# Altium PCB LASERDIODE.PcbDoc (part 2 of 3)
Units mm, origin at the board's own origin, x right, y up, seen from the top; angles counter-clockwise.
Board outline 90.01 x 90.01 mm, 4 copper layers (Top Layer, Layer 1, Layer 2, Bottom Layer), stack 1.584 mm thick; 328 components, 203 nets, 905 pads, 981 vias.
Unrouted connection lines stored in the file: 720.
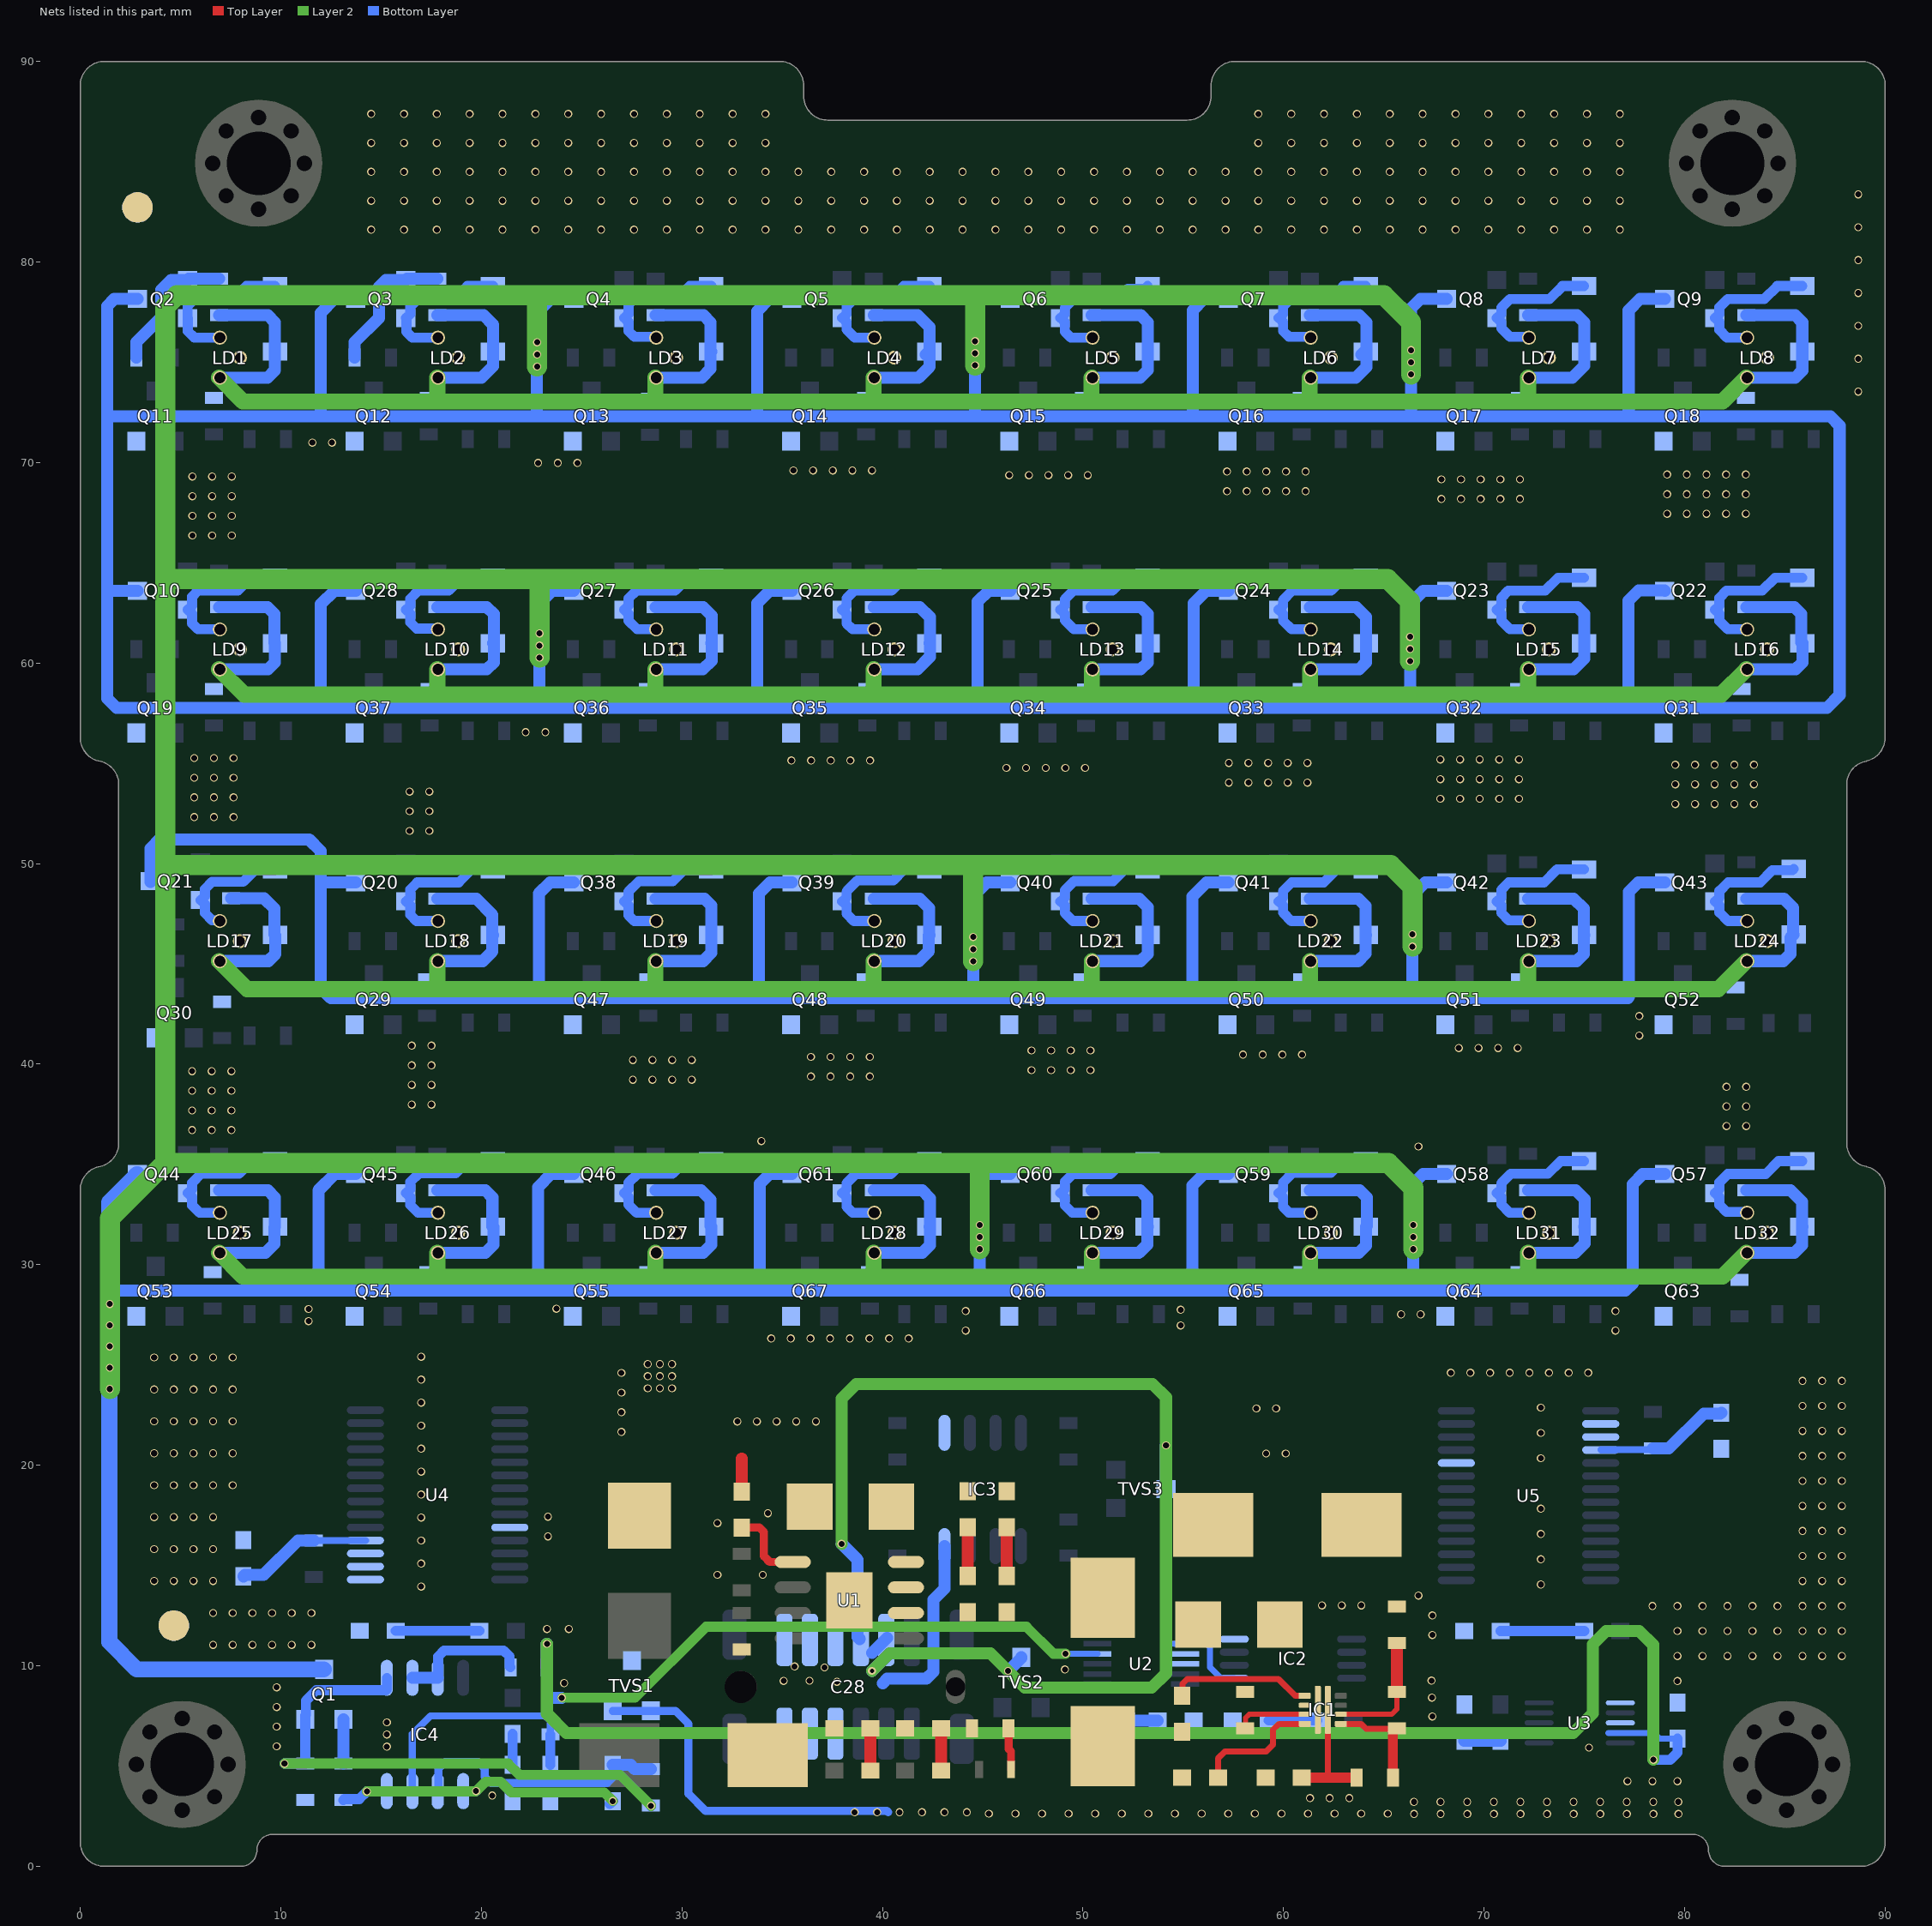
[diagram p4: the nets of this part, all layers, seen from the top]

## Via types
v1: diameter 0.4, hole 0.3, Top Layer to Bottom Layer, tented both sides, 727 vias
v2: diameter 0.35, hole 0.2, Top Layer to Bottom Layer, tented both sides, 253 vias
v3: diameter 0.4, hole 0.2, Top Layer to Bottom Layer, tented both sides, 1 vias

## Nets (pads, with @x,y where several pads share a name; then routed paths per layer and width w, separated by ;. In a path a pad name is that pad's centre, name@x,y a point inside that pad or via, vN(x,y) a via of type N, cw(c..) or ccw(c..) an arc to the next point about the centre after c; other vN are vias at no path point) (continued)
+12: C2.1 C6.1 C7.1 C10.1 D1.2 DIO1.2 DIO2.2 DIO3.2 DIO4.2 DIO5.2 DIO6.2 DIO7.2 DIO8.2 DIO9.2 DIO10.2 DIO11.2 DIO12.2 DIO13.2 DIO14.2 DIO15.2 DIO16.2 DIO17.2 DIO18.2 DIO19.2 DIO20.2 DIO21.2 DIO22.2 DIO23.2 DIO24.2 DIO25.2 DIO26.2 DIO27.2 DIO28.2 DIO29.2 DIO30.2 DIO31.2 DIO32.2 IC1.6 LD1.1 LD2.1 LD3.1 LD4.1 LD5.1 LD6.1 LD7.1 LD8.1 LD9.1 LD10.1 LD11.1 LD12.1 LD13.1 LD14.1 LD15.1 LD16.1 LD17.1 LD18.1 LD19.1 LD20.1 LD21.1 LD22.1 LD23.1 LD24.1 LD25.1 LD26.1 LD27.1 LD28.1 LD29.1 LD30.1 LD31.1 LD32.1 R18.1 R19.1 R20.1 R21.1 R22.1 R23.1 R24.1 R25.1 R26.1 R45.1 R46.1 R47.1 R48.1 R49.1 R50.1 R51.1 R52.1 R53.1 R72.1 R73.1 R74.1 R75.1 R76.1 R77.1 R78.1 R79.1 R80.1 R100.1 R101.1 R102.1 R103.1 R104.1 U1.7 | length 600.8
  Layer 2 w0.8: LD25.1@6.92,30.592 8.112,29.4 17.82,29.4 ; LD17.1@6.92,45.139 8.319,43.74 17.86,43.74 ; LD9.1@6.92,59.685 8.175,58.43 17.82,58.43 ; LD1.1@6.92,74.232 8.112,73.04 17.78,73.04 ; LD26.1@17.8,30.592 17.8,29.42 17.82,29.4 ; LD18.1@17.8,45.139 17.8,43.8 17.86,43.74 ; LD10.1@17.8,59.685 17.8,58.45 17.82,58.43 ; LD2.1@17.8,74.232 17.8,73.06 17.78,73.04 ; LD27.1@28.68,30.592 28.68,29.4 ; LD19.1@28.68,45.139 28.68,43.78 28.64,43.74 ; LD11.1@28.68,59.685 28.68,58.45 28.66,58.43 ; LD3.1@28.68,74.232 28.68,73.04 ; LD28.1@39.56,30.592 39.56,29.42 39.54,29.4 ; LD20.1@39.56,45.139 39.56,43.79 39.61,43.74 ; LD12.1@39.56,59.685 39.56,58.57 39.42,58.43 ; LD4.1@39.56,74.232 39.56,73.04 ; LD29.1@50.44,30.592 50.44,29.42 50.46,29.4 ; LD21.1@50.44,45.139 50.44,43.78 50.4,43.74 ; LD13.1@50.44,59.685 50.44,58.43 ; LD5.1@50.44,74.232 50.421,74.213 50.421,73.091 50.37,73.04 ; LD30.1@61.32,30.592 61.32,29.4 ; LD22.1@61.32,45.139 61.32,43.78 61.28,43.74 ; LD14.1@61.32,59.685 61.32,58.52 61.23,58.43 ; LD6.1@61.32,74.232 61.301,74.213 61.301,73.051 61.29,73.04 ; LD31.1@72.2,30.592 72.2,29.4 ; LD23.1@72.2,45.139 72.2,43.76 72.22,43.74 ; LD15.1@72.2,59.685 72.2,58.45 72.18,58.43 ; LD7.1@72.2,74.232 72.2,73.04 ; LD32.1@83.08,30.592 81.888,29.4 72.2,29.4 ; LD24.1@83.08,45.139 81.681,43.74 72.22,43.74 ; LD16.1@83.08,59.685 81.825,58.43 72.18,58.43 ; LD8.1@83.08,74.232 81.888,73.04 72.2,73.04 ; 17.78,73.04 28.68,73.04 ; 17.82,29.4 28.68,29.4 ; 17.82,58.43 28.66,58.43 ; 17.86,43.74 28.64,43.74 ; 28.64,43.74 39.61,43.74 ; 28.66,58.43 39.42,58.43 ; 28.68,29.4 39.54,29.4 ; 28.68,73.04 39.56,73.04 ; 39.42,58.43 50.44,58.43 ; 39.54,29.4 50.46,29.4 ; 39.56,73.04 50.37,73.04 ; 39.61,43.74 50.4,43.74 ; 50.37,73.04 61.29,73.04 ; 50.4,43.74 61.28,43.74 ; 50.44,58.43 61.23,58.43 ; 50.46,29.4 61.32,29.4 ; 61.23,58.43 72.18,58.43 ; 61.28,43.74 72.22,43.74 ; 61.29,73.04 72.2,73.04 ; 61.32,29.4 72.2,29.4
  Bottom Layer w0.6: LD25.1@6.92,30.592 9.232,30.592 9.67,31.03 9.67,31.861 DIO25.2@9.7,31.891 9.7,33.351 9.349,33.703 R78.1@6.92,33.703 ; LD17.1@6.92,45.139 9.369,45.139 9.73,45.5 9.73,46.408 DIO11.2@9.7,46.438 9.67,46.468 9.67,47.75 9.159,48.261 R46.1@7.52,48.261 ; LD9.1@6.92,59.685 9.349,59.685 9.7,60.037 DIO9.2@9.7,60.984 9.68,61.004 9.68,62.445 9.329,62.796 R26.1@6.92,62.796 ; LD1.1@6.92,74.232 9.331,74.232 9.7,74.601 DIO1.2@9.7,75.531 9.7,76.991 9.349,77.343 R18.1@6.92,77.343 ; LD26.1@17.8,30.592 20.202,30.592 20.61,31 20.61,31.862 DIO26.2@20.581,31.891 20.55,31.922 20.55,33.351 20.199,33.703 R79.1@17.8,33.703 ; LD18.1@17.8,45.139 20.069,45.139 20.54,45.61 DIO10.2@20.54,46.396 ; R45.1@17.8,48.25 19.74,48.25 20.549,47.441 20.549,46.47 DIO10.2@20.581,46.438 ; LD10.1@17.8,59.685 20.269,59.685 20.62,60.037 DIO18.2@20.62,60.946 ; R53.1@17.8,62.796 20.269,62.796 20.62,62.445 DIO18.2@20.62,60.946 ; LD2.1@17.8,74.232 20.012,74.232 20.58,74.8 20.58,75.529 DIO2.2@20.581,75.531 20.581,76.869 20.107,77.343 R19.1@17.8,77.343 ; DIO18.2@20.581,60.984 DIO18.2@20.62,60.946 ; LD27.1@28.68,30.592 31.052,30.592 31.463,31.003 DIO27.2@31.463,31.891 31.416,31.938 31.416,33.246 30.959,33.703 R80.1@28.68,33.703 ; LD19.1@28.68,45.139 31.059,45.139 31.47,45.55 DIO19.2@31.47,46.43 ; R72.1@28.68,48.25 31.119,48.25 31.47,47.898 DIO19.2@31.47,46.43 ; LD11.1@28.68,59.685 31.045,59.685 31.48,60.12 DIO17.2@31.48,60.967 ; R52.1@28.68,62.796 31.054,62.796 31.48,62.37 DIO17.2@31.48,60.967 ; LD3.1@28.68,74.232 30.992,74.232 31.43,74.67 DIO3.2@31.43,75.498 ; R20.1@28.68,77.343 31.079,77.343 31.43,76.991 DIO3.2@31.43,75.498 ; DIO19.2@31.463,46.438 DIO19.2@31.47,46.43 ; DIO17.2@31.463,60.984 DIO17.2@31.48,60.967 ; DIO3.2@31.463,75.531 DIO3.2@31.43,75.498 ; LD28.1@39.56,30.592 41.982,30.592 42.37,30.98 DIO32.2@42.37,31.865 ; R104.1@39.56,33.703 41.977,33.703 42.37,33.31 DIO32.2@42.37,31.865 ; LD20.1@39.56,45.139 41.819,45.139 42.31,45.63 42.31,46.403 DIO20.2@42.33,46.423 ; R73.1@39.56,48.25 41.86,48.25 42.33,47.78 DIO20.2@42.33,46.423 ; LD12.1@39.56,59.685 41.744,59.685 42.36,60.301 DIO16.2@42.36,60.969 ; R51.1@39.56,62.796 41.864,62.796 42.36,62.3 DIO16.2@42.36,60.969 ; LD4.1@39.56,74.232 41.802,74.232 42.344,74.774 DIO4.2@42.344,75.531 ; R21.1@39.56,77.343 41.751,77.343 42.344,76.75 DIO4.2@42.344,75.531 ; DIO4.2@42.154,75.376 42.309,75.531 DIO4.2@42.344,75.531 ; DIO32.2@42.344,31.891 DIO32.2@42.37,31.865 ; DIO20.2@42.344,46.438 DIO20.2@42.33,46.423 ; DIO16.2@42.344,60.984 DIO16.2@42.36,60.969 ; LD29.1@50.44,30.592 52.792,30.592 53.2,31 DIO31.2@53.2,31.865 ; R103.1@50.44,33.703 52.849,33.703 53.2,33.351 DIO31.2@53.2,31.865 ; LD21.1@50.44,45.139 52.869,45.139 53.23,45.5 DIO21.2@53.23,46.433 ; R74.1@50.44,48.25 52.81,48.25 53.23,47.83 DIO21.2@53.23,46.433 ; LD13.1@50.44,59.685 52.874,59.685 53.226,60.037 DIO15.2@53.226,60.984 53.24,60.999 53.24,62.445 52.889,62.796 R50.1@50.44,62.796 ; LD5.1@50.44,74.232 52.852,74.232 53.23,74.61 DIO5.2@53.23,75.527 ; R22.1@50.44,77.343 52.879,77.343 53.23,76.991 DIO5.2@53.23,75.527 ; DIO31.2@53.226,31.891 DIO31.2@53.2,31.865 ; DIO21.2@53.226,46.438 DIO21.2@53.23,46.433 ; DIO5.2@53.226,75.531 DIO5.2@53.23,75.527 ; LD30.1@61.32,30.592 63.756,30.592 64.107,30.944 DIO30.2@64.107,31.891 64.15,31.934 64.15,33.351 63.799,33.703 R102.1@61.32,33.703 ; LD22.1@61.32,45.139 63.719,45.139 64.1,45.52 DIO22.2@64.1,46.43 ; R75.1@61.32,48.25 63.73,48.25 64.1,47.88 DIO22.2@64.1,46.43 ; LD14.1@61.32,59.685 63.765,59.685 64.12,60.04 DIO14.2@64.12,60.971 ; R49.1@61.32,62.796 63.614,62.796 64.12,62.29 DIO14.2@64.12,60.971 ; LD6.1@61.32,74.232 63.602,74.232 64.13,74.76 DIO6.2@64.13,75.508 ; R23.1@61.32,77.343 63.779,77.343 64.13,76.991 DIO6.2@64.13,75.508 ; DIO6.2@63.88,75.376 64.035,75.531 DIO6.2@64.107,75.531 DIO6.2@64.13,75.508 ; DIO22.2@64.107,46.438 DIO22.2@64.1,46.43 ; DIO14.2@64.107,60.984 DIO14.2@64.12,60.971 ; LD31.1@72.2,30.592 74.542,30.592 75.01,31.06 DIO29.2@75.01,31.869 ; R101.1@72.2,33.703 74.567,33.703 75.01,33.26 DIO29.2@75.01,31.869 ; LD23.1@72.2,45.139 74.619,45.139 74.97,45.49 DIO23.2@74.97,46.419 ; R76.1@72.2,48.25 74.47,48.25 74.97,47.75 DIO23.2@74.97,46.419 ; LD15.1@72.2,59.685 74.465,59.685 75,60.22 DIO13.2@75,60.973 ; R48.1@72.2,62.796 74.649,62.796 75,62.445 DIO13.2@75,60.973 ; LD7.1@72.2,74.232 74.399,74.232 74.989,74.821 DIO7.2@74.989,75.531 74.989,76.991 74.637,77.343 R24.1@72.2,77.343 ; DIO29.2@74.989,31.891 DIO29.2@75.01,31.869 ; DIO23.2@74.989,46.438 DIO23.2@74.97,46.419 ; DIO13.2@74.989,60.984 DIO13.2@75,60.973 ; LD32.1@83.08,30.592 85.472,30.592 85.86,30.98 DIO28.2@85.86,31.881 ; R100.1@83.08,33.703 85.287,33.703 85.86,33.13 DIO28.2@85.86,31.881 ; LD24.1@83.08,45.139 84.92,45.139 85.272,45.49 85.272,46.305 DIO24.2@85.41,46.443 ; R77.1@83.08,48.25 84.95,48.25 85.41,47.79 DIO24.2@85.41,46.443 ; LD16.1@83.08,59.685 85.529,59.685 85.88,60.037 85.88,60.974 DIO12.2@85.87,60.984 85.82,61.034 85.82,62.445 85.469,62.796 R47.1@83.08,62.796 ; LD8.1@83.08,74.232 85.512,74.232 85.87,74.59 DIO8.2@85.87,75.531 85.87,76.991 85.519,77.343 R25.1@83.08,77.343 ; DIO24.2@85.44,46.46 85.427,46.46 DIO24.2@85.41,46.443 ; DIO28.2@85.87,31.891 DIO28.2@85.86,31.881
  other v1: 28.295,23.83 28.9,23.83 29.505,23.83 28.295,24.435 28.9,24.435 29.505,24.435 28.295,25.04 28.9,25.04 29.505,25.04
+12_AUX: C1.2 C28.7 C28.8 C28.9 IC1.5 R1.2 TVS1.1 TVS1.3 | length 24
  Top Layer w0.3: IC1.5@62.21,7.8 62.21,4.485 62.275,4.42
  Top Layer w0.5: C1.2@60.91,4.419 62.275,4.42 R1.2@63.641,4.42
  Bottom Layer w0.4: TVS1.3@26.55,7.75 TVS1.1@28.45,7.75 29.675,7.75 30.328,7.097 30.328,3.615 31.19,2.753 40.227,2.753 40.29,2.69
  other v1: 38.61,2.69 39.73,2.69 40.85,2.69 41.97,2.69 43.09,2.69 44.21,2.69 61.32,3.4 62.3,3.4 63.28,3.4
CURRENT_MONITOR: C39.2 R16.2 U3.4 | length 76
  Layer 2 w0.6: v1(23.266,11.09) 23.266,7.614 24.23,6.65 74.45,6.65 75.425,7.625 75.425,11.065 76.087,11.727 77.743,11.727 78.43,11.04 v1@78.43,5.31
  Bottom Layer w0.3: U3.4@76.195,6.65 U3.4@76.795,6.65 78.469,6.65 78.757,6.362 C39.2@79.644,6.362
  Bottom Layer w0.5: R16.2@23.266,9.92 R16.2@23.278,9.932 ; v1@78.439,5.3 v1(78.448,5.31) 79.28,5.31 79.644,5.674 C39.2@79.644,6.362
  Bottom Layer w0.6: R16.2@23.266,9.92 v1(23.266,11.09)
DAC: R99.1 U2.4 | length 29.3
  Layer 2 w0.5: v1@24.042,8.399 27.659,8.399 31.2,11.94 47.18,11.94 48.52,10.6 v1(49.13,10.6)
  Bottom Layer w0.3: v1@49.112,10.582 v1(49.13,10.6) 49.135,10.595 50.721,10.595 U2.4@50.726,10.59
  Bottom Layer w0.6: R99.1@23.44,8.389 23.999,8.389 v1(24.01,8.4)
GND_AUX: C1.1 C2.2 C3.1 C4.1 C10.2 C11.2 C12.2 C13.2 C14.2 C15.2 C18.1 C19.1 C21.1 C23.1 C26.1 C27.1 C28.4 C28.5 C28.6 C30.1 C34.1 C35.1 C39.1 D1.1 D2.1 IC1.8 IC2.4 IC3.5 IC4.4 LD1.2 LD2.2 LD3.2 LD4.2 LD5.2 LD6.2 LD7.2 LD8.2 LD9.2 LD10.2 LD11.2 LD12.2 LD13.2 LD14.2 LD15.2 LD16.2 LD17.2 LD18.2 LD19.2 LD20.2 LD21.2 LD22.2 LD23.2 LD24.2 LD25.2 LD26.2 LD27.2 LD28.2 LD29.2 LD30.2 LD31.2 LD32.2 pad. Q11.2 Q12.2 Q13.2 Q14.2 Q15.2 Q16.2 Q17.2 Q18.2 Q19.2 Q29.2 Q30.2 Q31.2 Q32.2 Q33.2 Q34.2 Q35.2 Q36.2 Q37.2 Q47.2 Q48.2 Q49.2 Q50.2 Q51.2 Q52.2 Q53.2 Q54.2 Q55.2 Q63.2 Q64.2 Q65.2 Q66.2 Q67.2 R3.1 R4.1 R6.2 R7.1 R17.1 R105.2 R111.2 R117.2 R118.2 R119.2 R120.2 R121.2 R122.2 R123.2 R124.2 R125.2 R126.2 R127.2 R128.2 R129.2 R130.2 R131.2 R132.2 R133.2 R134.2 R135.2 R136.2 R137.2 R138.2 R139.2 R140.2 R141.2 R142.2 R143.2 R144.2 R145.2 R146.2 TVS1.2 U1.6 U1.9 U2.7 U2.8 U3.1 U3.3 U4.10 U4.15 U4.16 U4.17 U5.10 U5.16 U5.17
  other v1: 45.303,2.62 46.63,2.62 47.956,2.62 49.282,2.62 50.609,2.62 51.935,2.62 53.262,2.62 54.588,2.62 55.915,2.62 57.241,2.62 58.568,2.62 59.894,2.62 61.221,2.62 62.547,2.62 63.874,2.62 65.2,2.62 66.511,2.604 67.837,2.604 69.164,2.604 70.49,2.604 71.817,2.604 73.143,2.604 74.47,2.604 75.796,2.604 77.123,2.604 78.449,2.604 79.696,2.604 66.505,3.21 67.831,3.21 69.158,3.21 70.484,3.21 71.81,3.21 73.137,3.21 74.463,3.21 75.79,3.21 77.116,3.21 78.443,3.21 79.69,3.21 20.54,3.53 77.149,4.244 78.396,4.244 79.644,4.244 75.23,5.916 9.79,5.98 15.285,5.965 15.285,6.57 9.79,6.96 15.285,7.175 67.42,7.47 9.79,7.94 67.4,8.41 9.79,8.92 24.125,9.133 37.73,9.2 79.644,9.233 35.07,9.24 36.36,9.25 67.38,9.26 49.097,9.816 37.11,9.91 35.62,9.96 79.644,10.48 80.891,10.48 82.138,10.48 83.385,10.48 84.633,10.48 85.88,10.48 86.86,10.48 87.84,10.48 6.62,11.038 7.6,11.038 8.58,11.038 9.56,11.038 10.54,11.038 11.52,11.038 67.42,11.53 79.644,11.727 80.891,11.727 82.138,11.727 83.385,11.727 84.633,11.727 85.88,11.727 86.86,11.727 87.84,11.727 23.266,11.83 24.36,11.83 67.42,12.51 6.62,12.63 7.6,12.63 8.58,12.63 9.56,12.63 10.54,12.63 11.52,12.63 78.396,12.975 79.644,12.975 80.891,12.975 82.138,12.975 83.385,12.975 84.633,12.975 85.88,12.975 86.86,12.975 87.84,12.975 61.92,13.01 62.9,13.01 63.88,13.01 66.73,13.5 17,13.95 72.83,14.05 3.68,14.223 4.66,14.223 5.64,14.223 6.62,14.223 85.88,14.222 86.86,14.222 87.84,14.222 31.77,14.53 34.03,14.53 17,15.096 72.83,15.31 85.88,15.469 86.86,15.469 87.84,15.469 3.68,15.815 4.66,15.815 5.64,15.815 6.62,15.815 17,16.242 23.32,16.45 72.83,16.57 85.88,16.716 86.86,16.716 87.84,16.716 31.77,17.11 3.68,17.408 4.66,17.408 5.64,17.408 6.62,17.408 17,17.388 23.32,17.43 34.29,17.6 72.83,17.83 85.88,17.964 86.86,17.964 87.84,17.964 17,18.534 3.68,19 4.66,19 5.64,19 6.62,19 7.6,19 85.88,19.211 86.86,19.211 87.84,19.211 17,19.68 72.83,20.35 85.88,20.458 86.86,20.458 87.84,20.458 59.13,20.58 60.11,20.58 3.68,20.593 4.66,20.593 5.64,20.593 6.62,20.593 7.6,20.593 17,20.826 72.83,21.61 26.98,21.66 85.88,21.705 86.86,21.705 87.84,21.705 17,21.972 3.68,22.185 4.66,22.185 5.64,22.185 6.62,22.185 7.6,22.185 32.76,22.18 33.74,22.18 34.72,22.18 35.7,22.18 36.68,22.18 26.98,22.64 58.65,22.83 59.63,22.83 72.83,22.87 85.88,22.953 86.86,22.953 87.84,22.953 17,23.118 26.98,23.62 3.68,23.777 4.66,23.777 5.64,23.777 6.62,23.777 7.6,23.777 85.88,24.2 86.86,24.2 87.84,24.2 17,24.264 26.98,24.6 68.34,24.61 69.32,24.61 70.3,24.61 71.28,24.61 72.26,24.61 73.24,24.61 74.22,24.61 75.2,24.61 3.68,25.37 4.66,25.37 5.64,25.37 6.62,25.37 7.6,25.37 17,25.41 34.45,26.32 35.43,26.32 36.41,26.32 37.39,26.32 38.37,26.32 39.35,26.32 40.33,26.32 41.31,26.32 44.15,26.71 76.55,26.71 54.87,26.97 11.38,27.185 65.86,27.52 66.84,27.52 44.15,27.69 76.55,27.69 54.87,27.75 11.38,27.79 23.74,27.8 66.73,35.89 33.96,36.16 5.57,36.71 6.55,36.71 7.53,36.71 82.09,36.91 83.07,36.91 5.57,37.69 6.55,37.69 7.53,37.69 82.09,37.89 83.07,37.89 16.53,37.98 17.51,37.98 5.57,38.67 6.55,38.67 7.53,38.67 82.09,38.87 83.07,38.87 16.53,38.96 17.51,38.96 27.55,39.22 28.53,39.22 29.51,39.22 30.49,39.22 36.43,39.38 37.41,39.38 38.39,39.38 39.37,39.38 5.57,39.65 6.55,39.65 7.53,39.65 47.43,39.7 48.41,39.7 49.39,39.7 50.37,39.7 16.53,39.94 17.51,39.94 27.55,40.2 28.53,40.2 29.51,40.2 30.49,40.2 36.43,40.36 37.41,40.36 38.39,40.36 39.37,40.36 57.98,40.47 58.96,40.47 59.94,40.47 60.92,40.47 47.43,40.68 48.41,40.68 49.39,40.68 50.37,40.68 68.74,40.8 69.72,40.8 70.7,40.8 71.68,40.8 16.53,40.92 17.51,40.92 77.74,41.42 77.74,42.4 16.42,51.63 17.4,51.63 5.68,52.32 6.66,52.32 7.64,52.32 16.42,52.61 17.4,52.61 79.54,52.97 80.52,52.97 81.5,52.97 82.48,52.97 83.46,52.97 67.82,53.23 68.8,53.23 69.78,53.23 70.76,53.23 71.74,53.23 5.68,53.3 6.66,53.3 7.64,53.3 16.42,53.59 17.4,53.59 79.54,53.95 80.52,53.95 81.5,53.95 82.48,53.95 83.46,53.95 57.27,54.04 58.25,54.04 59.23,54.04 60.21,54.04 61.19,54.04 67.82,54.21 68.8,54.21 69.78,54.21 70.76,54.21 71.74,54.21 5.68,54.28 6.66,54.28 7.64,54.28 46.18,54.77 47.16,54.77 48.14,54.77 49.12,54.77 50.1,54.77 79.54,54.93 80.52,54.93 81.5,54.93 82.48,54.93 83.46,54.93 57.27,55.02 58.25,55.02 59.23,55.02 60.21,55.02 61.19,55.02 35.46,55.14 36.44,55.14 37.42,55.14 38.4,55.14 39.38,55.14 67.82,55.19 68.8,55.19 69.78,55.19 70.76,55.19 71.74,55.19 5.68,55.26 6.66,55.26 7.64,55.26 22.21,56.55 23.19,56.55 5.59,66.36 6.57,66.36 7.55,66.36 5.59,67.34 6.57,67.34 7.55,67.34 79.13,67.44 80.11,67.44 81.09,67.44 82.07,67.44 83.05,67.44 67.87,68.18 68.85,68.18 69.83,68.18 70.81,68.18 71.79,68.18 5.59,68.32 6.57,68.32 7.55,68.32 79.13,68.42 80.11,68.42 81.09,68.42 82.07,68.42 83.05,68.42 57.18,68.57 58.16,68.57 59.14,68.57 60.12,68.57 61.1,68.57 67.87,69.16 68.85,69.16 69.83,69.16 70.81,69.16 71.79,69.16 5.59,69.3 6.57,69.3 7.55,69.3 46.32,69.37 47.3,69.37 48.28,69.37 49.26,69.37 50.24,69.37 79.13,69.4 80.11,69.4 81.09,69.4 82.07,69.4 83.05,69.4 57.18,69.55 58.16,69.55 59.14,69.55 60.12,69.55 61.1,69.55 35.56,69.6 36.54,69.6 37.52,69.6 38.5,69.6 39.48,69.6 22.83,69.98 23.81,69.98 24.79,69.98 11.57,70.99 12.55,70.99 88.66,73.539 88.66,75.177 88.66,76.816 88.66,78.455 88.66,80.093 14.5,81.61 16.139,81.61 17.777,81.61 19.416,81.61 21.055,81.61 22.693,81.61 24.332,81.61 25.971,81.61 27.609,81.61 29.248,81.61 30.887,81.61 32.526,81.61 34.164,81.61 35.803,81.61 37.442,81.61 39.08,81.61 40.719,81.61 42.358,81.61 43.996,81.61 45.635,81.61 47.274,81.61 48.912,81.61 50.551,81.61 52.19,81.61 53.828,81.61 55.467,81.61 57.106,81.61 58.744,81.61 60.383,81.61 62.022,81.61 63.661,81.61 65.299,81.61 66.938,81.61 68.577,81.61 70.215,81.61 71.854,81.61 73.493,81.61 75.131,81.61 76.77,81.61 88.66,81.732 14.5,83.053 16.139,83.053 17.777,83.053 19.416,83.053 21.055,83.053 22.693,83.053 24.332,83.053 25.971,83.053 27.609,83.053 29.248,83.053 30.887,83.053 32.526,83.053 34.164,83.053 35.803,83.053 37.442,83.053 39.08,83.053 40.719,83.053 42.358,83.053 43.996,83.053 45.635,83.053 47.274,83.053 48.912,83.053 50.551,83.053 52.19,83.053 53.828,83.053 55.467,83.053 57.106,83.053 58.744,83.053 60.383,83.053 62.022,83.053 63.661,83.053 65.299,83.053 66.938,83.053 68.577,83.053 70.215,83.053 71.854,83.053 73.493,83.053 75.131,83.053 76.77,83.053 88.66,83.371 14.5,84.497 16.139,84.497 17.777,84.497 19.416,84.497 21.055,84.497 22.693,84.497 24.332,84.497 25.971,84.497 27.609,84.497 29.248,84.497 30.887,84.497 32.526,84.497 34.164,84.497 35.803,84.497 37.442,84.497 39.08,84.497 40.719,84.497 42.358,84.497 43.996,84.497 45.635,84.497 47.274,84.497 48.912,84.497 50.551,84.497 52.19,84.497 53.828,84.497 55.467,84.497 57.106,84.497 58.744,84.497 60.383,84.497 62.022,84.497 63.661,84.497 65.299,84.497 66.938,84.497 68.577,84.497 70.215,84.497 71.854,84.497 73.493,84.497 75.131,84.497 76.77,84.497 14.5,85.94 16.139,85.94 17.777,85.94 19.416,85.94 21.055,85.94 22.693,85.94 24.332,85.94 25.971,85.94 27.609,85.94 29.248,85.94 30.887,85.94 32.526,85.94 34.164,85.94 58.744,85.94 60.383,85.94 62.022,85.94 63.661,85.94 65.299,85.94 66.938,85.94 68.577,85.94 70.215,85.94 71.854,85.94 73.493,85.94 75.131,85.94 76.77,85.94 14.5,87.383 16.139,87.383 17.777,87.383 19.416,87.383 21.055,87.383 22.693,87.383 24.332,87.383 25.971,87.383 27.609,87.383 29.248,87.383 30.887,87.383 32.526,87.383 34.164,87.383 58.744,87.383 60.383,87.383 62.022,87.383 63.661,87.383 65.299,87.383 66.938,87.383 68.577,87.383 70.215,87.383 71.854,87.383 73.493,87.383 75.131,87.383 76.77,87.383
GND_BUS: C28.2 C28.3 IC3.4 TVS2.2 TVS3.2 | length 73.3
  Layer 2 w0.6: v1(37.959,16.08) 37.959,23.319 38.69,24.05 53.47,24.05 54.14,23.38 v1(54.14,20.99) 54.14,9.62 53.42,8.9 47.1,8.9 45.383,10.617 40.357,10.617 v3(39.48,9.74)
  Bottom Layer w0.6: v1(37.959,16.08) 38.75,15.289 38.75,11.44 C28.3@38.855,11.335 ; v3(39.48,9.74) C28.2@40.15,10.41 ; 39.49,10.645 C28.2@40.23,11.385 ; 40.01,9.129 40.23,9.349 42.189,9.349 42.54,9.7 42.54,13.3 43.095,13.855 IC3.4@43.095,15.965 ; v1(46.26,9.74) 46.28,9.74 46.932,10.392 TVS2.2@46.932,10.417 ; TVS3.2@54.14,18.814 v1(54.14,20.99)
I_LD: Q1.3 Q2.2 Q3.2 Q4.2 Q5.2 Q6.2 Q7.2 Q8.2 Q9.2 Q10.2 Q20.2 Q21.2 Q22.2 Q23.2 Q24.2 Q25.2 Q26.2 Q27.2 Q28.2 Q38.2 Q39.2 Q40.2 Q41.2 Q42.2 Q43.2 Q44.2 Q45.2 Q46.2 Q57.2 Q58.2 Q59.2 Q60.2 Q61.2 | length 937.6
  Layer 2 w1: v1(1.47,23.8) 1.47,24.405 1.47,25.01 1.47,25.615 1.47,26.22 1.47,32.31 3.895,34.735 4.23,35.07 ; v1(22.78,74.785) v1(22.78,75.39) v1(22.78,75.995) 22.78,78.28 22.71,78.35 ; v1(22.9,60.267) v1(22.9,60.872) v1(22.9,61.477) 22.9,64.13 22.84,64.19 ; v1(44.52,45.13) v1(44.52,45.735) v1(44.52,46.34) 44.52,49.9 44.49,49.93 ; v1(44.62,74.845) v1(44.62,75.45) v1(44.62,76.055) 44.62,78.27 44.7,78.35 ; v1(44.85,30.77) v1(44.85,31.375) v1(44.85,31.98) 44.85,34.9 45.02,35.07 ; v1(66.31,60.095) v1(66.31,60.7) v1(66.31,61.305) 66.31,63.08 65.2,64.19 22.84,64.19 ; v1(66.36,74.39) v1(66.36,74.995) v1(66.36,75.6) 66.36,76.99 65,78.35 44.7,78.35 ; v1(66.43,45.86) v1(66.43,46.465) 66.43,48.84 65.34,49.93 44.49,49.93 ; v1(66.47,30.77) v1(66.47,31.375) v1(66.47,31.98) 66.47,33.83 65.23,35.07 45.02,35.07 ; 4.23,35.07 4.23,49.93 ; 4.23,35.07 45.02,35.07 ; 4.23,49.93 4.23,64.19 ; 4.23,49.93 44.49,49.93 ; 4.23,64.19 4.23,77.764 4.816,78.35 22.71,78.35 ; 4.23,64.19 22.84,64.19 ; 22.71,78.35 44.7,78.35
  Bottom Layer w0.6: 1.51,28.7 11.87,28.7 ; Q10.2@2.85,63.608 1.34,63.608 ; Q2.2@2.85,78.155 1.691,78.155 1.34,77.804 1.34,72.3 ; Q21.2@3.49,49.09 3.49,50.75 3.95,51.21 11.4,51.21 11.98,50.63 11.98,43.81 12.49,43.3 22.86,43.3 ; 12.06,49.062 Q20.2@13.73,49.062 ; Q45.2@13.73,34.515 12.685,34.515 11.87,33.7 11.87,28.7 ; Q28.2@13.73,63.608 12.668,63.608 11.99,62.93 11.99,57.77 ; Q3.2@13.73,78.155 12.675,78.155 11.98,77.46 11.98,72.3 ; Q46.2@24.61,34.515 23.475,34.515 22.82,33.86 22.82,28.7 ; Q38.2@24.61,49.062 23.422,49.062 22.86,48.5 22.86,43.3 ; Q27.2@24.61,63.608 23.528,63.608 22.89,62.97 22.89,57.82 22.84,57.77 ; Q4.2@24.61,78.155 23.475,78.155 22.77,77.45 22.77,72.3 ; Q61.2@35.49,34.515 34.365,34.515 33.89,34.04 33.89,28.73 33.92,28.7 ; Q39.2@35.49,49.062 34.392,49.062 33.84,48.51 33.84,43.34 33.8,43.3 ; Q26.2@35.49,63.608 34.378,63.608 33.75,62.98 33.75,57.77 ; Q5.2@35.49,78.155 34.355,78.155 33.75,77.55 33.75,72.3 ; Q60.2@46.37,34.515 45.205,34.515 44.85,34.16 v1(44.85,31.98) v1(44.85,31.375) v1(44.85,30.77) 44.85,28.7 ; Q40.2@46.37,49.062 45.202,49.062 44.52,48.38 v1(44.52,46.34) v1(44.52,45.735) v1(44.52,45.13) 44.52,43.3 ; Q25.2@46.37,63.608 45.298,63.608 44.75,63.06 44.75,57.77 ; Q6.2@46.37,78.155 45.045,78.155 44.62,77.73 v1(44.62,76.055) v1(44.62,75.45) v1(44.62,74.845) 44.62,72.3 ; Q59.2@57.25,34.515 56.035,34.515 55.46,33.94 55.46,28.7 ; Q41.2@57.25,49.062 56.152,49.062 55.45,48.36 55.45,43.3 ; Q24.2@57.25,63.608 56.138,63.608 55.52,62.99 55.52,57.77 ; Q7.2@57.25,78.155 56.035,78.155 55.47,77.59 55.47,72.3 ; Q58.2@68.13,34.515 66.955,34.515 66.46,34.02 66.46,31.98 66.46,31.375 66.46,30.77 66.46,28.7 ; Q42.2@68.13,49.062 67.072,49.062 66.42,48.41 66.42,43.3 ; Q23.2@68.13,63.608 66.968,63.608 66.31,62.95 v1(66.31,61.305) v1(66.31,60.7) v1(66.31,60.095) 66.31,57.77 ; Q8.2@68.13,78.155 66.825,78.155 66.36,77.69 v1(66.36,75.6) v1(66.36,74.995) v1(66.36,74.39) 66.36,72.3 ; 77.2,57.82 77.2,63.11 77.71,63.62 78.998,63.62 Q22.2@79.01,63.608 ; 77.21,72.38 77.21,77.58 77.785,78.155 Q9.2@79.01,78.155 ; Q57.2@79.01,34.515 77.915,34.515 77.41,34.01 77.41,29.051 77.059,28.7 66.46,28.7 ; Q43.2@79.01,49.062 79.001,49.07 77.7,49.07 77.23,48.6 77.23,43.36 77.17,43.3 66.42,43.3 ; 1.34,63.608 1.34,58.24 1.81,57.77 11.99,57.77 ; 1.34,63.608 1.34,72.3 ; 1.34,72.3 11.98,72.3 ; 11.87,28.7 22.82,28.7 ; 11.98,72.3 22.77,72.3 ; 11.99,57.77 22.84,57.77 ; 22.77,72.3 33.75,72.3 ; 22.82,28.7 33.92,28.7 ; 22.84,57.77 33.75,57.77 ; 22.86,43.3 33.8,43.3 ; 33.75,57.77 44.75,57.77 ; 33.75,72.3 44.62,72.3 ; 33.8,43.3 44.52,43.3 ; 33.92,28.7 44.85,28.7 ; 44.52,43.3 55.45,43.3 ; 44.62,72.3 55.47,72.3 ; 44.75,57.77 55.52,57.77 ; 44.85,28.7 55.46,28.7 ; 55.45,43.3 66.42,43.3 ; 55.46,28.7 66.46,28.7 ; 55.47,72.3 66.36,72.3 ; 55.52,57.77 66.31,57.77 ; 66.31,57.77 87.1,57.77 87.73,58.4 87.73,71.84 87.27,72.3 66.36,72.3
  Bottom Layer w0.8: Q44.2@2.85,34.515 2.825,34.515 2.775,34.465 2.775,34.44 1.45,33.115 1.45,26.22 1.45,25.615 1.45,25.01 1.45,24.405 1.45,23.8 1.45,11.18 2.81,9.82 Q1.3@12.14,9.82
  other v1: 1.47,24.859 1.47,25.917 1.47,26.976 1.47,28.035
LATCH: IC2.1 U2.6 | length 4.3
  Bottom Layer w0.3: U2.6@54.56,11.091 56.164,11.091 56.34,10.915 56.34,9.92 56.875,9.385 57.535,9.385 IC2.1@57.545,9.375
NetC3_2: C3.2 IC1.10 | length 6.4
  Top Layer w0.3: C3.2@56.74,4.419 56.74,5.39 57.08,5.73 59.14,5.73 59.48,6.07 59.48,6.81 59.77,7.1 IC1.10@61.06,7.1
NetC4_2: C4.2 IC1.7 | length 7.1
  Top Layer w0.3: C4.2@54.94,8.509 54.96,8.529 54.96,9.1 55.2,9.34 59.74,9.34 60.58,8.5 IC1.7@61.06,8.5
NetC5_1: C5.1 D2.2 L1.1 U1.8 | length 1.6
  Top Layer w0.6: C5.1@32.98,18.688 32.98,20.32
NetC5_2: C5.2 U1.1 | length 4
  Top Layer w0.4: C5.2@32.98,16.888 32.984,16.892 33.856,16.892 34.09,16.657 34.09,15.46 34.377,15.173 U1.1@35.525,15.173
NetC6_2: C6.2 C12.1 | length 2.4
  Top Layer w0.6: C12.1@44.25,14.478 C6.2@44.25,16.908
NetC7_2: C7.2 C13.1 | length 2.4
  Top Layer w0.6: C13.1@46.2,14.478 C7.2@46.2,16.908
NetC8_2: C8.2 C14.1 | length 2.1
  Top Layer w0.6: C8.2@42.926,4.77 C14.1@42.926,6.88
NetC9_2: C9.2 C15.1 | length 2.1
  Top Layer w0.6: C9.2@39.4,4.77 C15.1@39.4,6.88
NetC17_1: C17.1 C19.2 | length 1.6
  Bottom Layer w0.6: C17.1@52.15,7.27 C19.2@53.72,7.27
NetC18_2: C18.2 R12.1 U5.18 | length 6.8
  Bottom Layer w0.35: U5.18@75.832,20.771 75.839,20.763 76.58,20.763 76.588,20.771 78.35,20.771 R12.1@78.41,20.831
  Bottom Layer w0.6: R12.1@78.41,20.831 79.211,20.831 80.954,22.574 81.784,22.574 C18.2@81.83,22.62
NetC21_2: C21.2 R13.1 U4.18 | length 6.8
  Bottom Layer w0.35: R13.1@11.64,16.245 U4.18@14.218,16.245
  Bottom Layer w0.6: C21.2@8.13,14.456 8.207,14.533 9.133,14.533 10.845,16.245 R13.1@11.64,16.245
NetC22_1: C22.1 C23.2 | length 1.8
  Bottom Layer w0.6: C23.2@69.02,6.262 C22.1@70.82,6.262
NetC24_1: C24.1 C26.2 | length 4.2
  Bottom Layer w0.5: C26.2@15.73,11.74 C24.1@19.906,11.74
NetC25_1: C25.1 C27.2 | length 4.2
  Bottom Layer w0.5: C27.2@70.82,11.73 C25.1@74.996,11.73
NetC29_1: C29.1 C30.2 | length 2.4
  Bottom Layer w0.5: C30.2@59.257,7.27 C29.1@61.683,7.27
NetC33_1: C33.1 C35.2 | length 1.5
  Bottom Layer w0.5: C35.2@21.55,5.051 C33.1@21.55,6.6
NetC34_2: C34.2 IC4.3 R99.2 | length 12.4
  Bottom Layer w0.35: IC4.3@16.555,3.745 16.555,6.6 17.455,7.5 23.17,7.5 23.44,7.23 R99.2@23.44,6.573
  Bottom Layer w0.5: C34.2@23.44,5.051 R99.2@23.44,6.573
NetC37_1: C37.1 IC4.2 R15.1 | length 13.4
  Bottom Layer w0.4: IC4.2@17.825,3.745 17.863,3.783 17.863,4.873 18.2,5.21 19.82,5.21 20.17,4.86 20.17,4.46 20.48,4.15 26.28,4.15 26.56,4.43 26.56,5.041 C37.1@26.551,5.05
  Bottom Layer w0.6: C37.1@26.55,5.051 26.551,5.05 27.44,5.05 27.641,4.849 R15.1@28.45,4.849
NetC37_2: C37.2 IC4.1 R14.1 | length 15.1
  Layer 2 w0.5: v1(14.29,3.73) 19.715,3.73 v1(19.73,3.745) 20.205,4.22 20.95,4.22 21.49,3.68 26.121,3.68 v1(26.55,3.251)
  Bottom Layer w0.5: R14.1@13.116,3.301 13.166,3.351 13.911,3.351 v1(14.29,3.73) ; IC4.1@19.095,3.745 v1(19.73,3.745) ; C37.2@26.4,3.101 v1(26.55,3.251)
NetDIO1_1: DIO1.1 LD1.3 Q2.3 | length 7.8
  Bottom Layer w0.5: LD1.3@6.956,76.228 5.682,76.228 5.36,76.55 5.36,77.195 Q2.3@5.35,77.205 5.35,77.804 5.736,78.19 7.672,78.19 8.283,78.801 DIO1.1@9.7,78.801
NetDIO2_1: DIO2.1 LD2.3 Q3.3 | length 7.6
  Bottom Layer w0.5: LD2.3@17.836,76.228 16.553,76.228 16.26,76.521 16.26,77.175 Q3.3@16.23,77.205 16.255,77.205 16.455,77.405 16.455,77.775 16.88,78.2 18.7,78.2 19.301,78.801 DIO2.1@20.581,78.801
NetDIO3_1: DIO3.1 LD3.3 Q4.3 | length 7.6
  Bottom Layer w0.5: LD3.3@28.716,76.228 28.678,76.266 27.628,76.266 27.335,76.559 27.335,77.005 Q4.3@27.135,77.205 ; DIO3.1@31.463,78.801 30.391,78.801 29.745,78.155 27.609,78.155 27.335,77.88 27.335,77.405 Q4.3@27.135,77.205 ; Q4.3@27.135,77.205 Q4.3@27.11,77.205 Q4.3@27.135,77.205
NetDIO4_1: DIO4.1 LD4.3 Q5.3 | length 7.5
  Bottom Layer w0.5: LD4.3@39.596,76.228 38.622,76.228 38.215,76.635 38.215,77.005 Q5.3@38.015,77.205 ; DIO4.1@42.344,78.801 41.051,78.801 40.405,78.155 38.575,78.155 38.215,77.795 38.215,77.405 Q5.3@38.015,77.205 ; Q5.3@38.015,77.205 Q5.3@37.99,77.205 Q5.3@38.015,77.205
NetDIO5_1: DIO5.1 LD5.3 Q6.3 | length 7.5
  Bottom Layer w0.5: LD5.3@50.476,76.228 49.388,76.228 49.095,76.521 49.095,77.005 Q6.3@48.895,77.205 ; DIO5.1@53.226,78.801 53.095,78.67 52.23,78.67 51.84,78.28 49.66,78.28 49.095,77.715 49.095,77.405 Q6.3@48.895,77.205 ; Q6.3@48.895,77.205 Q6.3@48.87,77.205 Q6.3@48.895,77.205
NetDIO6_1: DIO6.1 LD6.3 Q7.3 | length 7.5
  Bottom Layer w0.5: LD6.3@61.356,76.228 61.318,76.266 60.268,76.266 59.975,76.559 59.975,77.005 Q7.3@59.775,77.205 ; DIO6.1@64.107,78.801 62.981,78.801 62.42,78.24 60.43,78.24 59.975,77.785 59.975,77.405 Q7.3@59.775,77.205 ; Q7.3@59.775,77.205 Q7.3@59.75,77.205 Q7.3@59.775,77.205
NetDIO7_1: DIO7.1 LD7.3 Q8.3 | length 7.4
  Bottom Layer w0.5: LD7.3@72.236,76.228 72.198,76.266 71.285,76.266 70.855,76.696 70.855,77.005 Q8.3@70.655,77.205 ; DIO7.1@74.989,78.801 73.911,78.801 73.265,78.155 71.285,78.155 70.855,77.725 70.855,77.405 Q8.3@70.655,77.205 ; Q8.3@70.655,77.205 Q8.3@70.63,77.205 Q8.3@70.655,77.205
NetDIO8_1: DIO8.1 LD8.3 Q9.3 | length 7.4
  Bottom Layer w0.5: Q9.3@81.51,77.205 Q9.3@81.535,77.205 ; LD8.3@83.116,76.228 82.112,76.228 81.735,76.605 81.735,77.005 Q9.3@81.535,77.205 ; DIO8.1@85.87,78.801 84.621,78.801 83.975,78.155 82.145,78.155 81.735,77.745 81.735,77.405 Q9.3@81.535,77.205
NetDIO9_1: DIO9.1 LD9.3 Q10.3 | length 7.6
  Bottom Layer w0.5: LD9.3@6.956,61.681 5.868,61.681 5.575,61.974 5.575,62.458 Q10.3@5.375,62.658 ; DIO9.1@9.7,64.254 8.504,64.254 7.858,63.608 5.868,63.608 5.575,63.315 5.575,62.858 Q10.3@5.375,62.658 ; Q10.3@5.375,62.658 Q10.3@5.35,62.658 Q10.3@5.375,62.658
NetDIO10_1: DIO10.1 LD18.3 Q20.3 | length 7.5
  Bottom Layer w0.5: LD18.3@17.836,47.135 16.761,47.135 16.455,47.441 16.455,47.912 Q20.3@16.255,48.112 ; DIO10.1@20.581,49.708 20.578,49.704 19.514,49.704 18.872,49.062 16.802,49.062 16.455,48.715 16.455,48.312 Q20.3@16.255,48.112 ; Q20.3@16.255,48.112 Q20.3@16.23,48.112 Q20.3@16.255,48.112
NetDIO11_1: DIO11.1 LD17.3 Q21.3 | length 6.2
  Bottom Layer w0.5: LD17.3@6.956,47.135 6.918,47.173 6.57,47.173 6.215,47.527 6.215,47.976 Q21.3@6.015,48.176 ; DIO11.1@9.7,49.708 9.662,49.67 8.7,49.67 8.12,49.09 6.57,49.09 6.215,48.735 6.215,48.376 Q21.3@6.015,48.176 ; Q21.3@6.015,48.176 Q21.3@5.99,48.176 Q21.3@6.015,48.176
NetDIO12_1: DIO12.1 LD16.3 Q22.3 | length 7.5
  Bottom Layer w0.5: LD16.3@83.116,61.681 82.149,61.681 81.735,62.095 81.735,62.458 Q22.3@81.535,62.658 ; DIO12.1@85.87,64.254 84.514,64.254 83.868,63.608 82.088,63.608 81.735,63.255 81.735,62.858 Q22.3@81.535,62.658 ; Q22.3@81.535,62.658 Q22.3@81.51,62.658 Q22.3@81.535,62.658
NetDIO13_1: DIO13.1 LD15.3 Q23.3 | length 7.5
  Bottom Layer w0.5: LD15.3@72.236,61.681 71.289,61.681 70.855,62.115 70.855,62.458 Q23.3@70.655,62.658 ; DIO13.1@74.989,64.254 73.694,64.254 73.048,63.608 71.208,63.608 70.855,63.255 70.855,62.858 Q23.3@70.655,62.658 ; Q23.3@70.655,62.658 Q23.3@70.63,62.658 Q23.3@70.655,62.658
NetDIO14_1: DIO14.1 LD14.3 Q24.3 | length 7.4
  Bottom Layer w0.5: LD14.3@61.356,61.681 60.399,61.681 59.975,62.105 59.975,62.458 Q24.3@59.775,62.658 ; DIO14.1@64.107,64.254 63.024,64.254 62.378,63.608 60.438,63.608 59.975,63.145 59.975,62.858 Q24.3@59.775,62.658 ; Q24.3@59.775,62.658 Q24.3@59.75,62.658 Q24.3@59.775,62.658
NetDIO15_1: DIO15.1 LD13.3 Q25.3 | length 7.4
  Bottom Layer w0.5: LD13.3@50.476,61.681 49.549,61.681 49.095,62.135 49.095,62.458 Q25.3@48.895,62.658 ; DIO15.1@53.226,64.254 52.114,64.254 51.468,63.608 49.518,63.608 49.095,63.185 49.095,62.858 Q25.3@48.895,62.658 ; Q25.3@48.895,62.658 Q25.3@48.87,62.658 Q25.3@48.895,62.658
NetDIO16_1: DIO16.1 LD12.3 Q26.3 | length 7.5
  Bottom Layer w0.5: LD12.3@39.596,61.681 38.508,61.681 38.215,61.974 38.215,62.458 Q26.3@38.015,62.658 ; DIO16.1@42.344,64.254 41.094,64.254 40.448,63.608 38.598,63.608 38.215,63.225 38.215,62.858 Q26.3@38.015,62.658 ; Q26.3@38.015,62.658 Q26.3@37.99,62.658 Q26.3@38.015,62.658
NetDIO17_1: DIO17.1 LD11.3 Q27.3 | length 7.4
  Bottom Layer w0.5: LD11.3@28.716,61.681 27.767,61.681 27.335,62.113 27.335,62.458 Q27.3@27.135,62.658 ; DIO17.1@31.463,64.254 30.304,64.254 29.658,63.608 27.728,63.608 27.335,63.215 27.335,62.858 Q27.3@27.135,62.658 ; Q27.3@27.135,62.658 Q27.3@27.11,62.658 Q27.3@27.135,62.658
NetDIO18_1: DIO18.1 LD10.3 Q28.3 | length 7.5
  Bottom Layer w0.5: LD10.3@17.836,61.681 17.798,61.719 16.761,61.719 16.455,62.025 16.455,62.458 Q28.3@16.255,62.658 ; DIO18.1@20.581,64.254 19.015,64.254 18.369,63.608 16.858,63.608 16.455,63.205 16.455,62.858 Q28.3@16.255,62.658 ; Q28.3@16.255,62.658 Q28.3@16.23,62.658 Q28.3@16.255,62.658
NetDIO19_1: DIO19.1 LD19.3 Q38.3 | length 7.5
  Bottom Layer w0.5: LD19.3@28.716,47.135 27.628,47.135 27.335,47.427 27.335,47.912 Q38.3@27.135,48.112 ; DIO19.1@31.463,49.708 31.438,49.683 30.103,49.683 29.54,49.12 27.85,49.12 27.335,48.605 27.335,48.312 Q38.3@27.135,48.112 ; Q38.3@27.135,48.112 Q38.3@27.11,48.112 Q38.3@27.135,48.112
NetDIO20_1: DIO20.1 LD20.3 Q39.3 | length 7.5
  Bottom Layer w0.5: LD20.3@39.596,47.135 38.583,47.135 38.215,47.503 38.215,47.912 Q39.3@38.015,48.112 ; DIO20.1@42.344,49.708 41.088,49.708 40.54,49.16 38.747,49.16 38.235,48.648 38.235,48.605 38.215,48.584 38.215,48.312 Q39.3@38.015,48.112 ; Q39.3@38.015,48.112 Q39.3@37.99,48.112 Q39.3@38.015,48.112
NetDIO21_1: DIO21.1 LD21.3 Q40.3 | length 7.5
  Bottom Layer w0.5: LD21.3@50.476,47.135 49.495,47.135 49.095,47.535 49.095,47.912 Q40.3@48.895,48.112 ; DIO21.1@53.226,49.708 52.088,49.708 51.51,49.13 49.564,49.13 49.095,48.661 49.095,48.312 Q40.3@48.895,48.112 ; Q40.3@48.895,48.112 Q40.3@48.87,48.112 Q40.3@48.895,48.112
NetDIO22_1: DIO22.1 LD22.3 Q41.3 | length 7.4
  Bottom Layer w0.5: LD22.3@61.356,47.135 60.39,47.135 59.975,47.55 59.975,47.912 Q41.3@59.775,48.112 ; DIO22.1@64.107,49.708 62.658,49.708 62.012,49.062 60.404,49.062 59.975,48.632 59.975,48.312 Q41.3@59.775,48.112 ; Q41.3@59.775,48.112 Q41.3@59.75,48.112 Q41.3@59.775,48.112
NetDIO23_1: DIO23.1 LD23.3 Q42.3 | length 7.5
  Bottom Layer w0.5: LD23.3@72.236,47.135 72.198,47.173 71.227,47.173 70.855,47.545 70.855,47.912 Q42.3@70.655,48.112 ; DIO23.1@74.989,49.708 73.638,49.708 72.992,49.062 71.227,49.062 70.855,48.689 70.855,48.312 Q42.3@70.655,48.112 ; Q42.3@70.655,48.112 Q42.3@70.63,48.112 Q42.3@70.655,48.112
NetDIO24_1: DIO24.1 LD24.3 Q43.3 | length 7
  Bottom Layer w0.5: LD24.3@83.116,47.135 82.165,47.135 81.735,47.565 81.735,47.912 Q43.3@81.535,48.112 ; DIO24.1@85.44,49.73 85.377,49.667 84.377,49.667 83.772,49.062 82.165,49.062 81.735,48.631 81.735,48.312 Q43.3@81.535,48.112 ; Q43.3@81.535,48.112 Q43.3@81.51,48.112 Q43.3@81.535,48.112
NetDIO25_1: DIO25.1 LD25.3 Q44.3 | length 7.4
  Bottom Layer w0.5: LD25.3@6.956,32.588 5.942,32.588 5.575,32.955 5.575,33.365 Q44.3@5.375,33.565 ; DIO25.1@9.7,35.161 8.541,35.161 7.91,34.53 6.021,34.53 5.575,34.084 5.575,33.765 Q44.3@5.375,33.565 ; Q44.3@5.375,33.565 Q44.3@5.35,33.565 Q44.3@5.375,33.565
NetDIO26_1: DIO26.1 LD26.3 Q45.3 | length 7.5
  Bottom Layer w0.5: LD26.3@17.836,32.588 16.842,32.588 16.455,32.975 16.455,33.365 Q45.3@16.255,33.565 ; DIO26.1@20.581,35.161 19.321,35.161 18.72,34.56 16.887,34.56 16.455,34.128 16.455,33.765 Q45.3@16.255,33.565 ; Q45.3@16.255,33.565 Q45.3@16.23,33.565 Q45.3@16.255,33.565
NetDIO27_1: DIO27.1 LD27.3 Q46.3 | length 7.4
  Bottom Layer w0.5: LD27.3@28.716,32.588 27.742,32.588 27.335,32.995 27.335,33.365 Q46.3@27.135,33.565 ; DIO27.1@31.463,35.161 30.156,35.161 29.535,34.54 27.79,34.54 27.335,34.085 27.335,33.765 Q46.3@27.135,33.565 ; Q46.3@27.135,33.565 Q46.3@27.11,33.565 Q46.3@27.135,33.565
NetDIO28_1: DIO28.1 LD32.3 Q57.3 | length 7.5
  Bottom Layer w0.5: LD32.3@83.116,32.588 83.078,32.626 82.09,32.626 81.735,32.981 81.735,33.365 Q57.3@81.535,33.565 ; DIO28.1@85.87,35.161 84.681,35.161 84.04,34.52 82.15,34.52 81.735,34.105 81.735,33.765 Q57.3@81.535,33.565 ; Q57.3@81.535,33.565 Q57.3@81.51,33.565 Q57.3@81.535,33.565
NetDIO29_1: DIO29.1 LD31.3 Q58.3 | length 7.4
  Bottom Layer w0.5: LD31.3@72.236,32.588 71.272,32.588 70.855,33.005 70.855,33.365 Q58.3@70.655,33.565 ; DIO29.1@74.989,35.161 73.811,35.161 73.18,34.53 71.33,34.53 70.855,34.055 70.855,33.765 Q58.3@70.655,33.565 ; Q58.3@70.655,33.565 Q58.3@70.63,33.565 Q58.3@70.655,33.565
NetDIO30_1: DIO30.1 LD30.3 Q59.3 | length 7.5
  Bottom Layer w0.5: LD30.3@61.356,32.588 60.268,32.588 59.975,32.881 59.975,33.365 Q59.3@59.775,33.565 ; DIO30.1@64.107,35.161 62.951,35.161 62.36,34.57 60.45,34.57 59.975,34.095 59.975,33.765 Q59.3@59.775,33.565 ; Q59.3@59.775,33.565 Q59.3@59.75,33.565 Q59.3@59.775,33.565
NetDIO31_1: DIO31.1 LD29.3 Q60.3 | length 7.5
  Bottom Layer w0.5: Q60.3@48.87,33.565 Q60.3@48.895,33.565 ; LD29.3@50.476,32.588 49.468,32.588 49.095,32.961 49.095,33.365 Q60.3@48.895,33.565 ; DIO31.1@53.226,35.161 52.001,35.161 51.355,34.515 49.475,34.515 49.095,34.135 49.095,33.765 Q60.3@48.895,33.565
NetDIO32_1: DIO32.1 LD28.3 Q61.3 | length 7.5
  Bottom Layer w0.5: LD28.3@39.596,32.588 38.508,32.588 38.215,32.881 38.215,33.365 Q61.3@38.015,33.565 ; DIO32.1@42.344,35.161 42.268,35.084 40.984,35.084 40.415,34.515 38.665,34.515 38.215,34.065 38.215,33.765 Q61.3@38.015,33.565 ; Q61.3@38.015,33.565 Q61.3@37.99,33.565 Q61.3@38.015,33.565
NetIC1_1: IC1.1 R1.1 R2.2 | length 5.3
  Top Layer w0.3: IC1.1@62.86,7.1 63.86,7.1 64.107,6.853 R2.2@65.477,6.853
  Top Layer w0.5: R1.1@65.457,4.42 65.457,6.833 65.477,6.853 65.507,6.883 R2.2@65.647,6.883
NetIC1_2: IC1.2 R2.1 R3.2 | length 6.3
  Top Layer w0.25: IC1.2@62.76,7.575 IC1.2@62.86,7.575 65.395,7.575 65.647,7.827 R2.1@65.647,8.699
  Top Layer w0.6: R2.1@65.647,8.699 R3.2@65.647,11.13
NetIC1_9: IC1.9 R4.2 | length 3.6
  Top Layer w0.25: R4.2@58.09,6.873 58.11,6.893 58.11,7.4 58.285,7.575 IC1.9@61.06,7.575
NetIC4_5: IC4.5 Q1.2 R15.2 R17.2 | length 28.2
  Layer 2 w0.5: v1(10.18,5.12) 21.33,5.12 21.89,4.56 26.91,4.56 v1(28.46,3.01)
  Bottom Layer w0.5: v1(10.18,5.12) 11.213,5.12 R17.2@11.216,5.117 Q1.2@11.216,7.32 11.216,7.511 11.25,7.545 11.25,8.26 11.77,8.78 15.239,8.78 15.285,8.826 IC4.5@15.285,9.395 ; R15.2@28.45,3.033 28.46,3.023 v1(28.46,3.01)
NetIC4_6: IC4.6 IC4.7 R16.1 | length 6.7
  Bottom Layer w0.5: IC4.7@17.825,9.395 17.844,9.414 17.844,10.464 18.14,10.76 21.107,10.76 21.4,10.467 21.4,9.97 R16.1@21.45,9.92
  Bottom Layer w0.6: IC4.6@16.555,9.395 IC4.7@17.825,9.395
NetLED1_2: LED1.2 R6.1 | length 2.1
  Top Layer w0.4: R6.1@46.289,6.881 R6.1@46.289,6.881 46.29,5.84 46.412,5.718 LED1.2@46.412,4.821
NetQ1_1: Q1.1 R14.2 | length 2.2
  Bottom Layer w0.6: R14.2@13.116,5.117 Q1.1@13.116,7.32
NetQ2_1: Q2.1 R18.2 R27.2 | length 7
  Bottom Layer w0.6: R27.2@2.793,75.232 2.793,76.003 4.04,77.25 4.04,78.61 4.535,79.105 Q2.1@5.35,79.105 Q2.1@5.268,79.023 ; Q2.1@5.403,79.159 R18.2@6.92,79.159
NetQ3_1: Q3.1 R19.2 R28.2 | length 7.1
  Bottom Layer w0.6: R28.2@13.673,75.232 13.673,75.993 14.89,77.21 14.89,78.754 15.241,79.105 Q3.1@16.23,79.105 16.283,79.159 R19.2@17.8,79.159